# Altium PCB RoBeast_Control_Board_PCB.PcbDoc (part 1 of 3) (continued)
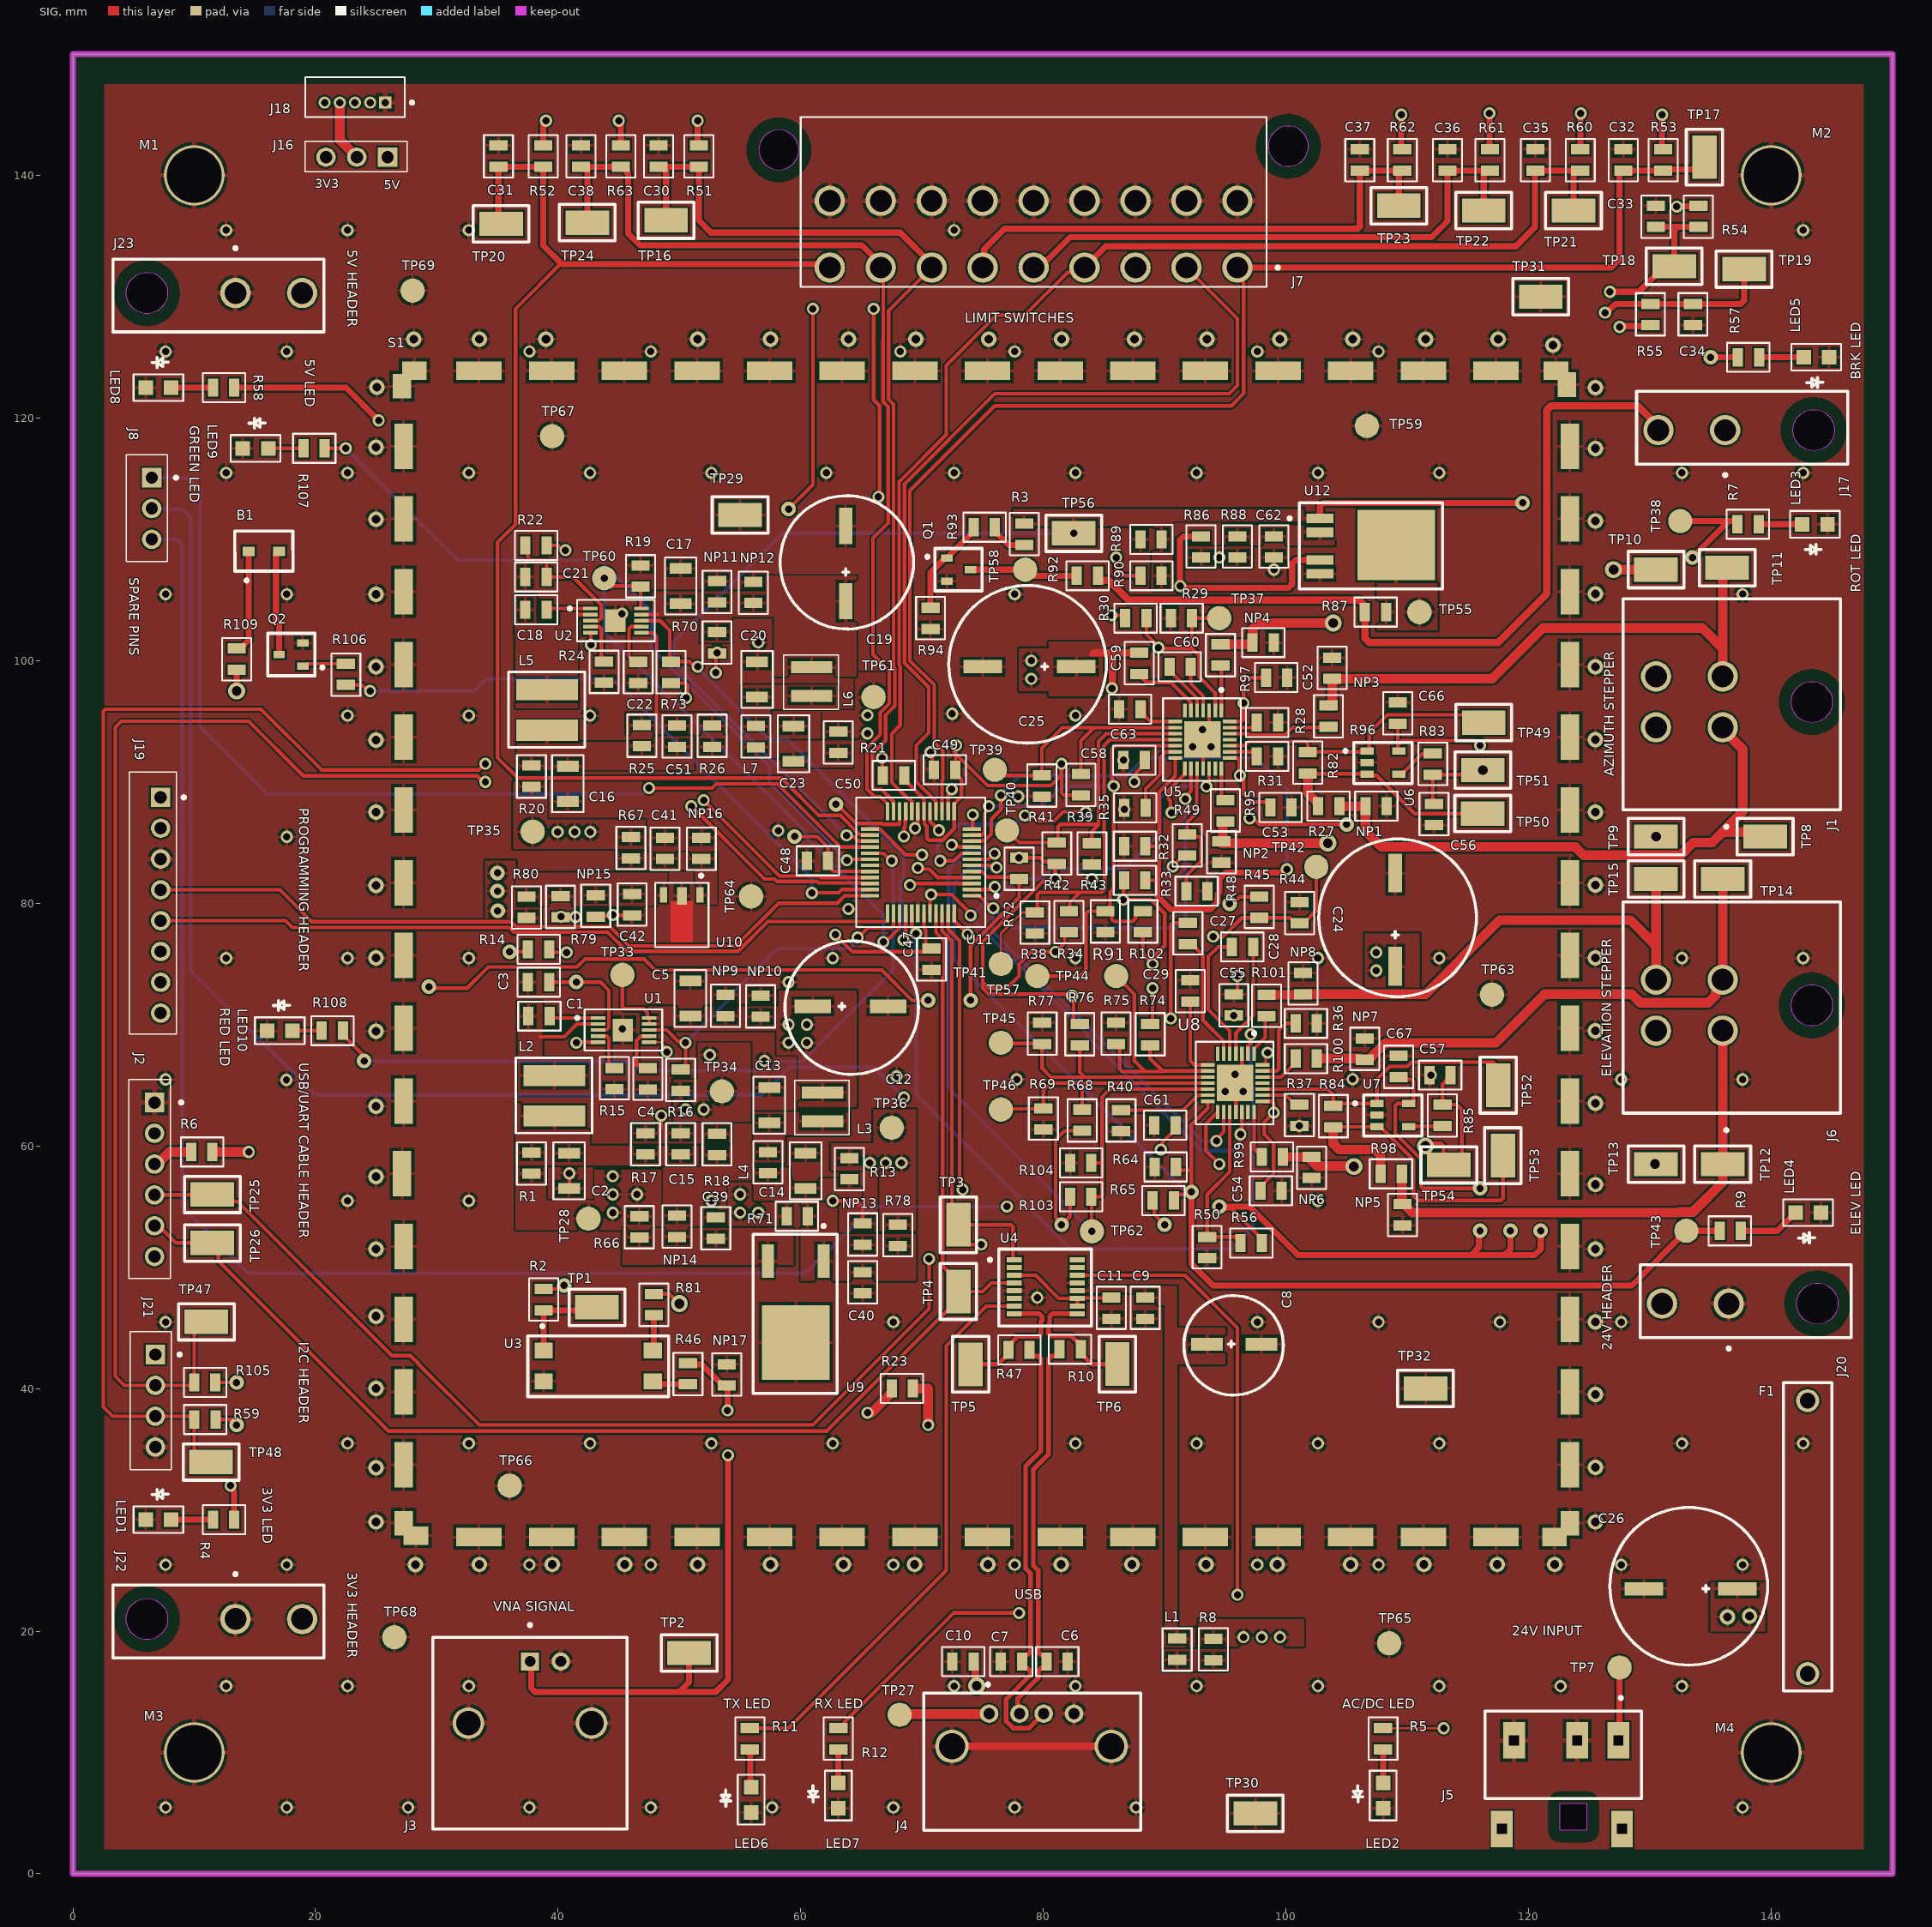
[diagram p0: SIG view]
## Part data (continued)
C40 C42: library part C0805C334K5RAC7800, "Ceramic Capacitor, Multilayer, Ceramic, 50V, 10% +Tol, 10% -Tol, X7R, 15% TC, 0.33uF, Surface Mount, 0805", Capacitance=330nF, Capacitor Type=Ceramic, Manufacturer=KEMET, Manufacturer Part Number=C0805C334K5RACTU, Max Operating Temperature=125°C, Min Operating Temperature=-55°C, Negative Tolerance=10%, Package Shape=Rectangular, Rated DC Voltage (URdc)=50V, Supplier Part Number 1=399-C0805C334K5RAC7800CT-ND, Temperature Characteristics Code=X7R, Category="Ceramic Capacitors", ComponentLink1Description=http://capacitoredge.kemet.com:80/capedge2/DataSheet/Datasheet-C0805C334K5RAC7800.pdf?pn=C0805C334K5RAC7800&src-supplier=IHS+Markit, ComponentLink1URL=http://capacitoredge.kemet.com:80/capedge2/DataSheet/Datasheet-C0805C334K5RAC7800.pdf?pn=C0805C334K5RAC7800&src-supplier=IHS+Markit, ComponentLink2Description=https://datasheet.ciiva.com/28608/1851736-28608437.pdf?src-supplier=Element14, ComponentLink2URL=https://datasheet.ciiva.com/28608/1851736-28608437.pdf?src-supplier=Element14, ComponentLink3Description=https://datasheet.ciiva.com/28696/1851736-28696038.pdf?src-supplier=Element14, ComponentLink3URL=https://datasheet.ciiva.com/28696/1851736-28696038.pdf?src-supplier=Element14, ComponentLink4Description=https://datasheet.ciiva.com/18193/getdatasheetpartid-385729-18193783.pdf?src-supplier=Verical, ComponentLink4URL=https://datasheet.ciiva.com/18193/getdatasheetpartid-385729-18193783.pdf?src-supplier=Verical, ComponentLink5Description=https://datasheet.ciiva.com/18193/getdatasheetpartid-93202-18193786.pdf?src-supplier=Verical, ComponentLink5URL=https://datasheet.ciiva.com/18193/getdatasheetpartid-93202-18193786.pdf?src-supplier=Verical, Dielectric Material=Ceramic, JESD-609 Code=e3, Manufacturer Series=C0805C334K5RACTU, Mount="Surface Mount", Multilayer=Yes, Number of Pins=2, Packaging="Tape and Reel", Positive Tolerance=10%, Pricing 1="1=0.16, 10=0.111, 50=0.0662, 100=0.0521, 500=0.0385, 1000=0.03188 (USD)", Reach SVHC Compliant=Yes, RoHS=Yes, RoHS Compliant=Yes, Size Code=0805, Stock 1=50949, Supplier 1=Digikey, Terminal Finish=Nickel, Termination=Wraparound
C56 C57: library part CL21B473KBCNNNC, "Ceramic Capacitor, Multilayer, Ceramic, 50V, 10% +Tol, 10% -Tol, X7R, 15% TC, 0.047uF, Surface Mount, 0805", Capacitor Type=Ceramic, Manufacturer=Samsung, Max Operating Temperature=125°C, Min Operating Temperature=-55°C, Negative Tolerance=10%, Package Shape=Rectangular, Package Style=SMTMeter, Rated DC Voltage (URdc)=50V, Supplier Part Number 1=1276-1250-1-ND, Temperature Characteristics Code=X7R, Capacitance=47nF, Category="Ceramic Capacitors", ComponentLink1Description=https://datasheet.ciiva.com:443/pdfs/VipMasterIC/IC/SEMS/SEMS-S-A0008523078/SEMS-S-A0008523078-1.pdf?src-supplier=IHS+Markit, ComponentLink1URL=https://datasheet.ciiva.com:443/pdfs/VipMasterIC/IC/SEMS/SEMS-S-A0008523078/SEMS-S-A0008523078-1.pdf?src-supplier=IHS+Markit, ComponentLink2Description=https://datasheet.ciiva.com/15195/getdatasheetpartid-357428-15195917.pdf?src-supplier=Verical, ComponentLink2URL=https://datasheet.ciiva.com/15195/getdatasheetpartid-357428-15195917.pdf?src-supplier=Verical, ComponentLink3Description=https://datasheet.ciiva.com/29199/454396-da-01-en-vs-kondensator-0805-29199678.pdf?src-supplier=Conrad, ComponentLink3URL=https://datasheet.ciiva.com/29199/454396-da-01-en-vs-kondensator-0805-29199678.pdf?src-supplier=Conrad, ComponentLink4Description=https://datasheet.ciiva.com/16289/cl05b104kq5nnnc-16289529.pdf?src-supplier=Future+Electronics, ComponentLink4URL=https://datasheet.ciiva.com/16289/cl05b104kq5nnnc-16289529.pdf?src-supplier=Future+Electronics, Dielectric Material=Ceramic, Height=0.85mm, JESD-609 Code=e3, Length=2mm, Manufacturer Part Number=CL21B473KBCNNNC, Mount="Surface Mount", Multilayer=Yes, Number of Pins=2, Packaging="Tape and Reel", Positive Tolerance=10%, Pricing 1="1=0.1, 10=0.036, 50=0.0208, 100=0.0161, 500=0.01212, 1000=0.00953 (USD)", Reach SVHC Compliant=Yes, RoHS=Yes, RoHS Compliant=Yes, Size Code=0805, Stock 1=502166, Supplier 1=Digikey, Terminal Finish=Nickel, Termination=Wraparound, Width=1.25mm
F1: library part 0031.8201, "Fuse Holder Open Design; 5 x 20mm; 500V; 10A; 1P; Solder THT 22.5mm", Manufacturer=Schurter, Manufacturer Part Number=00318201, Supplier Part Number 1=486-1258-ND, Category="Fuse Holders", ComponentLink1Description=https://datasheet.ciiva.com/3014/typ-ogn-3014480.pdf?src-supplier=Avnet, ComponentLink1URL=https://datasheet.ciiva.com/3014/typ-ogn-3014480.pdf?src-supplier=Avnet, ComponentLink2Description=https://datasheet.ciiva.com/3014/typ-ogn-3014480.pdf?src-supplier=Mouser, ComponentLink2URL=https://datasheet.ciiva.com/3014/typ-ogn-3014480.pdf?src-supplier=Mouser, ComponentLink3Description=https://datasheet.ciiva.com/16215/typ-ogn-16215099.pdf?src-supplier=Onlinecomponents.com, ComponentLink3URL=https://datasheet.ciiva.com/16215/typ-ogn-16215099.pdf?src-supplier=Onlinecomponents.com, ComponentLink4Description=https://datasheet.ciiva.com/16203/typ-ogn-16203626.pdf?src-supplier=Future+Electronics, ComponentLink4URL=https://datasheet.ciiva.com/16203/typ-ogn-16203626.pdf?src-supplier=Future+Electronics, ComponentLink5Description=https://datasheet.ciiva.com/15188/getdatasheetpartid-392104-15188042.pdf?src-supplier=Verical, ComponentLink5URL=https://datasheet.ciiva.com/15188/getdatasheetpartid-392104-15188042.pdf?src-supplier=Verical, ComponentLink6Description=https://datasheet.ciiva.com/1269/1842496-1269251.pdf?src-supplier=Element14, ComponentLink6URL=https://datasheet.ciiva.com/1269/1842496-1269251.pdf?src-supplier=Element14, ComponentLink7Description=https://datasheet.ciiva.com/25893/typ-ogn-25893934.pdf?, ComponentLink7URL=https://datasheet.ciiva.com/25893/typ-ogn-25893934.pdf?, Pricing 1="1=0.91, 50=0.676, 100=0.608, 500=0.47 (USD)", RoHS=Yes, Stock 1=148074, Supplier 1=Digikey
J1 J6: library part 0015246043, "Rectangular Power Connector, 4 Contact(s), Male, Solder Terminal, Receptacle", Contact Resistance=10mR, Dielectric Withstanding Voltage (AC)=2.2kV, Flammability Rating="UL94 V-0", Insulation Color=Natural, Insulation Resistance=1GR, Manufacturer=Molex, Manufacturer Part Number=15-24-6043, Manufacturer Series=42404, Max Operating Temperature=105°C, Min Operating Temperature=-40°C, Rated Current (Signal)=8A, Supplier Part Number=WM19428-ND, Board Mounting Option="SPLIT BOARD LOCK", Body Breadth=0.591inch, Body Depth=0.815inch, Body/Shell Style=RECEPTACLE, Category="Headers and Wire Housings", ComponentLink1Description=https://datasheet.ciiva.com:443/pdfs/VipMasterIC/IC/MOLE/MOLES39673/MOLES39673-1.pdf?src-supplier=IHS+Markit, ComponentLink1URL=https://datasheet.ciiva.com:443/pdfs/VipMasterIC/IC/MOLE/MOLES39673/MOLES39673-1.pdf?src-supplier=IHS+Markit, ComponentLink2Description=https://datasheet.ciiva.com/16095/789440015246043-pcb-headers-16095349.pdf?src-supplier=Onlinecomponents.com, ComponentLink2URL=https://datasheet.ciiva.com/16095/789440015246043-pcb-headers-16095349.pdf?src-supplier=Onlinecomponents.com, ComponentLink3Description=https://datasheet.ciiva.com/30160/0015246043-pcb-headers-30160175.pdf?src-supplier=Onlinecomponents.com, ComponentLink3URL=https://datasheet.ciiva.com/30160/0015246043-pcb-headers-30160175.pdf?src-supplier=Onlinecomponents.com, Connector Type=Power,Rectangular, Contact Finish - Mating="NOT SPECIFIED", Contact Gender=Male, Contact Pattern=RECTANGULAR, Contact Style="SQ PIN-SKT", DIN Conformance=No, Durability=30Cycles, Empty Shell=No, Filter Feature=No, IEC Conformance=No, Insertion Force-Max=14.6784N, Insulation Material=Nylon, Mating Contact Pitch=0.165inch, Mating Contact Row Spacing=0.165inch, Mating Information="MULTIPLE MATING PARTS AVAILABLE", MIL Conformance=No, Mixed Contacts=No, Mounting Option 1="GUIDE SLOT", Mounting Option 2=LOCKING, Mounting Style="RIGHT ANGLE", Mounting Technology=Board, Number Of Connectors=1, Number of Contacts=4, Number Of PCB Rows=2, Number of Rows Loaded=2, Option="General Purpose", PCB Contact Pattern=RECTANGULAR, PCB Contact Row Spacing=5.5118mm, Plating Thickness=30uin, Polarization Key="POLARIZED HOUSING", Pricing="1=2.55, 10=2.244, 880=1.78517, 1760=1.42814, 5280=1.32613 (USD)", Reach SVHC Compliant=Yes, Reference Standard=UL, Reliability=COMMERCIAL, RoHS=Yes, RoHS Compliant=Yes, Shell Material=POLYAMIDE66, Stock=3180, Supplier=Digikey, Terminal Length=0.13inch, Terminal Pitch=4.191mm, Termination=Solder, Withdrawl Force-Min=1.0008N
J2: library part PH1RB-06-UA, "Conn Unshrouded Header HDR 6 POS 2.54mm Solder RA Thru-Hole", Manufacturer="Adam Equipment", Supplier Part Number 1=2057-PH1RB-06-UA-ND, Category=Connectors, Manufacturer Part Number=PH1RB-06-UA, Pricing 1="1=0.18, 10=0.141, 100=0.104, 500=0.08606, 1000=0.0753, 5000=0.06454, 10000=0.06275 (USD)", RoHS=No, Stock 1=9095, Supplier 1=Digikey
J3: library part 0731375003, "RF BNC Connector, 1 Contact(s), Female, Panel Mount, Board Mount, Solder Terminal, Locking, Receptacle", Contact Resistance=1.5mR, Dielectric Withstanding Voltage (AC)=2.1kV, Insulation Color=Black, Insulation Resistance=5GR, Manufacturer=Molex, Manufacturer Part Number=73137-5003, Manufacturer Series=73137, Operating Frequency-Max=4kHz, Supplier Part Number 1=538-73137-5003, Body Breadth=0.52inch, Body Depth=1.385inch, Body Length=0.581inch, Body/Shell Style=RECEPTACLE, Category="RF / Coaxial Connectors", Characteristic Impedance=50R, ComponentLink1Description=https://datasheet.ciiva.com:443/pdfs/VipMasterIC/IC/MOLE/MOLES59426/MOLES59426-1.pdf?src-supplier=IHS+Markit, ComponentLink1URL=https://datasheet.ciiva.com:443/pdfs/VipMasterIC/IC/MOLE/MOLES59426/MOLES59426-1.pdf?src-supplier=IHS+Markit, ComponentLink2Description=https://datasheet.ciiva.com/19460/1976769-19460336.pdf?src-supplier=Jameco, ComponentLink2URL=https://datasheet.ciiva.com/19460/1976769-19460336.pdf?src-supplier=Jameco, ComponentLink3Description=https://datasheet.ciiva.com/5176/0731375003-rf-coax-connectors-173113-5176792.pdf?src-supplier=Mouser, ComponentLink3URL=https://datasheet.ciiva.com/5176/0731375003-rf-coax-connectors-173113-5176792.pdf?src-supplier=Mouser, ComponentLink4Description=https://datasheet.ciiva.com/15172/getdatasheetpartid-42660-15172351.pdf?src-supplier=Verical, ComponentLink4URL=https://datasheet.ciiva.com/15172/getdatasheetpartid-42660-15172351.pdf?src-supplier=Verical, ComponentLink5Description=https://datasheet.ciiva.com/16080/1194240731375003-rf-coax-nectors-16080996.pdf?src-supplier=Onlinecomponents.com, ComponentLink5URL=https://datasheet.ciiva.com/16080/1194240731375003-rf-coax-nectors-16080996.pdf?src-supplier=Onlinecomponents.com, ComponentLink6Description=https://datasheet.ciiva.com/22826/0900766b810de4ef-22826921.pdf?src-supplier=Rs, ComponentLink6URL=https://datasheet.ciiva.com/22826/0900766b810de4ef-22826921.pdf?src-supplier=Rs, Connector Type=BNC, Contact Finish - Mating="NOT SPECIFIED", Contact Gender=Female, Contact Style=Coax, Coupling Type=Bayonet, DIN Conformance=No, Durability=500Cycles, Filter Feature=No, IEC Conformance=No, Insertion Loss=0.2dB, Insulation Material=Polypropylene, Mating Information="MULTIPLE MATING PARTS AVAILABLE", MIL Conformance=No, Mount=Board, Mounting Option 1=LOCKING, Mounting Style="RIGHT ANGLE", Number of Contacts=1, Number of Ports=1, Option="General Purpose", Panel Mount=Yes, Pricing 1="1=4.82, 10=4.24, 50=4.24, 100=3.37, 1000=2.79, 10000=2.6 (USD)", Reach SVHC Compliant=No, Reference Standard=UL, RoHS=Yes, RoHS Compliant=Yes, Shell Finish=Nickel, Shell Material=Zinc, Stock 1=2215, Supplier 1=Mouser, Terminal Length=0.163inch, Termination=Solder, VSWR=1.3
J4: library part UE27AC54100, "Conn USB 2.0 Type A RCP 4 POS 2mm/2.5mm Solder RA Thru-Hole 4 Terminal 1 Port", Manufacturer="Amphenol ICC / FCI", Supplier Part Number 1=UE27AC54100-ND, Category="USB Connectors", Manufacturer Part Number=UE27AC54100, Pricing 1="1=0.75, 10=0.633, 25=0.6072, 40=0.5945, 120=0.56858, 240=0.51692, 480=0.46523, 960=0.41353, 2400=0.37477 (USD)", RoHS=No, Stock 1=20038, Supplier 1=Digikey
J5: library part 54-00128, "Conn DC Power RCP 2 POS Solder RA Thru-Hole 3 Terminal 1 Port", Manufacturer=Tensility, Supplier Part Number 1=839-1511-ND, Category=Connectors, ComponentLink1Description=http://www.tensility.com/pdffiles/54-00128.pdf?src-supplier=Digikey, ComponentLink1URL=http://www.tensility.com/pdffiles/54-00128.pdf?src-supplier=Digikey, Manufacturer Part Number=54-00128, Pricing 1="1=0.91, 10=0.767, 100=0.6888, 1000=0.50096, 5000=0.43834, 10000=0.41642 (USD)", RoHS=No, Stock 1=19136, Supplier 1=Digikey
J7: library part 0039291188, "Rectangular Power Connector, 18 Contact(s), Male, Solder Terminal, Receptacle", Contact Resistance=10mR, Dielectric Withstanding Voltage (AC)=1.5kV, Flammability Rating="UL94 V-2", Insulation Resistance=1GR, Manufacturer=Molex, Manufacturer Part Number=39-29-1188, Max Operating Temperature=105°C, Min Operating Temperature=-40°C, Rated Current (Signal)=6A, Supplier Part Number 1=23-0039291188-ND, Board Mounting Option="MOUNTING FLANGE", Body Breadth=0.394inch, Body Depth=0.72inch, Body Length=1.929inch, Body/Shell Style=RECEPTACLE, Category="Headers and Wire Housings", ComponentLink1Description=https://datasheet.ciiva.com:443/pdfs/VipMasterIC/IC/MOLE/MOLE-S-A0004635529/MOLE-S-A0004635529-1.pdf?src-supplier=IHS+Markit, ComponentLink1URL=https://datasheet.ciiva.com:443/pdfs/VipMasterIC/IC/MOLE/MOLE-S-A0004635529/MOLE-S-A0004635529-1.pdf?src-supplier=IHS+Markit, ComponentLink2Description=https://datasheet.ciiva.com/711/039291028-sd-711978.pdf?src-supplier=Digikey, ComponentLink2URL=https://datasheet.ciiva.com/711/039291028-sd-711978.pdf?src-supplier=Digikey, ComponentLink3Description=https://datasheet.ciiva.com/30097/128000039291188-pcb-headers-30097010.pdf?src-supplier=Onlinecomponents.com, ComponentLink3URL=https://datasheet.ciiva.com/30097/128000039291188-pcb-headers-30097010.pdf?src-supplier=Onlinecomponents.com, ComponentLink4Description=https://datasheet.ciiva.com/26916/getdatasheetpartid-310375-26916660.pdf?src-supplier=Verical, ComponentLink4URL=https://datasheet.ciiva.com/26916/getdatasheetpartid-310375-26916660.pdf?src-supplier=Verical, ComponentLink5Description=https://datasheet.ciiva.com/11748/0900766b8059542f-11748868.pdf?src-supplier=Rs, ComponentLink5URL=https://datasheet.ciiva.com/11748/0900766b8059542f-11748868.pdf?src-supplier=Rs, ComponentLink6Description=https://datasheet.ciiva.com/5158/0039291188-pcb-headers-228408-5158739.pdf?src-supplier=Mouser, ComponentLink6URL=https://datasheet.ciiva.com/5158/0039291188-pcb-headers-228408-5158739.pdf?src-supplier=Mouser, ComponentLink7Description=https://datasheet.ciiva.com/1442/1865038-1442913.pdf?src-supplier=Element14, ComponentLink7URL=https://datasheet.ciiva.com/1442/1865038-1442913.pdf?src-supplier=Element14, Connector Type=Power,Rectangular, Contact Finish - Mating="NOT SPECIFIED", Contact Finish - Termination="Tin (Sn) - with Nickel (Ni) barrier", Contact Gender=Male, Contact Pattern=RECTANGULAR, Contact Style="SQ PIN-SKT", DIN Conformance=No, Durability=30Cycles, Empty Shell=No, Filter Feature=No, IEC Conformance=No, Insertion Force-Max=6.672N, Insulation Material=Nylon, JESD-609 Code=e3, Mating Contact Pitch=0.165inch, Mating Contact Row Spacing=0.165inch, Mating Information="MULTIPLE MATING PARTS AVAILABLE", MIL Conformance=No, Mixed Contacts=No, Mount=Board, Mounting Option 1="POLARIZED LCK", Mounting Option 2=LOCKING, Mounting Style="RIGHT ANGLE", Number Of Connectors=1, Number of Contacts=18, Number Of PCB Rows=2, Number of Rows Loaded=2, Option="General Purpose", PCB Contact Pattern=RECTANGULAR, PCB Contact Row Spacing=5.5118mm, Plating Thickness=200uin, Polarization Key="POLARIZED HOUSING", Pricing 1="1=4.09, 10=3.6, 100=2.8634, 1000=2.37249 (USD)", Reach SVHC Compliant=Yes, Reference Standard=UL, Reliability=COMMERCIAL, RoHS=Yes, RoHS Compliant=Yes, Shell Material=Nylon, Stock 1=8423, Supplier 1=Digikey, Terminal Length=0.138inch, Terminal Pitch=4.191mm, Termination=Solder, Withdrawl Force-Min=3.1136N
J8: library part PH1RB-03-UA, "Conn Unshrouded Header HDR 3 POS 2.54mm Solder RA Side Entry Thru-Hole", Manufacturer="Adam Equipment", Supplier Part Number=2057-PH1RB-03-UA-ND, Category=Connectors, ComponentLink1Description=http://www.adam-tech.com/downloader.php?p=PH1RB-XX-UA.pdf&src-supplier=Digikey, ComponentLink1URL=http://www.adam-tech.com/downloader.php?p=PH1RB-XX-UA.pdf&src-supplier=Digikey, Manufacturer Part Number=PH1RB-03-UA, Pricing="1=0.12, 10=0.097, 100=0.0718, 500=0.05938, 1000=0.05196, 5000=0.04454, 10000=0.0433 (USD)", RoHS=No, Stock=27919, Supplier=Digikey
J16: library part PH1-03-UA, "Conn Unshrouded Header HDR 3 POS 2.54mm Solder ST Thru-Hole Bag", Manufacturer="Adam Equipment", Supplier Part Number 1=2057-PH1-03-UA-ND, Category=Connectors, ComponentLink1Description=https://datasheet.ciiva.com/16396/catpg240-254-16396026.pdf?src-supplier=Future+Electronics, ComponentLink1URL=https://datasheet.ciiva.com/16396/catpg240-254-16396026.pdf?src-supplier=Future+Electronics, Manufacturer Part Number=PH1-03-UA, Pricing 1="1=0.1, 10=0.045, 100=0.0285, 500=0.02374, 1000=0.02136, 5000=0.01804, 10000=0.01709 (USD)", RoHS=Yes, Stock 1=50788, Supplier 1=Digikey
J17 J20 J22 J23: library part WM14505-ND, "Board Connector, 2 Contact(s), 2 Row(s), Male, Right Angle, Solder Terminal", Flammability Rating="UL94 V-2", Manufacturer=Molex, Manufacturer Part Number=0026013114, Supplier Part Number=538-26-01-3114, ComponentLink1Description=https://datasheet.ciiva.com:443/pdfs/VipMasterIC/IC/MOLE/MOLE-S-A0006764423/MOLE-S-A0006865681-1.pdf?src-supplier=IHS+Markit, ComponentLink1URL=https://datasheet.ciiva.com:443/pdfs/VipMasterIC/IC/MOLE/MOLE-S-A0006764423/MOLE-S-A0006865681-1.pdf?src-supplier=IHS+Markit, Connector Type="BOARD CONNECTOR", Contact Finish - Mating=GOLD, Contact Finish - Termination="Matte Tin (Sn)", Contact Gender=Male, Contact Material=Brass, DIN Conformance=No, Filter Feature=No, IEC Conformance=No, JESD-609 Code=e3, Mating Information="MULTIPLE MATING PARTS AVAILABLE", MIL Conformance=No, Mixed Contacts=No, Mounting Style="RIGHT ANGLE", Mounting Technology=Board, Number of Contacts=2, Number of Rows Loaded=2, Option="General Purpose", Pricing="1=1.12, 10=0.793, 50=0.793, 100=0.704, 1000=0.635, 10000=0.528 (USD)", Reach SVHC Compliant=Yes, RoHS=Yes, RoHS Compliant=Yes, Stock=22788, Supplier=Mouser, Supplier 1=Digikey, Supplier Part Number 1=WM14505-ND, Termination=Solder
J18: library part 0530480510, "Board Connector, 5 Contact(s), 1 Row(s), Male, Right Angle, 0.049 inch Pitch, Solder Terminal, Locking, Natural Insulator, Receptacle", Contact Resistance=20mR, Flammability Rating="UL94 V-0", Insulation Color=Natural, Insulation Resistance=100MR, Manufacturer=Molex, Manufacturer Part Number=53048-0510, Manufacturer Series=53048, Max Operating Temperature=85°C, Min Operating Temperature=-40°C, Supplier Part Number=WM1745-ND, Body Breadth=0.138inch, Body Depth=0.217inch, Body Length=0.315inch, Body/Shell Style=RECEPTACLE, Category="Headers and Wire Housings", ComponentLink1Description=https://datasheet.ciiva.com:443/pdfs/VipMasterIC/IC/MOLE/MOLE-S-A0001318164/MOLE-S-A0001396416-1.pdf?src-supplier=IHS+Markit, ComponentLink1URL=https://datasheet.ciiva.com:443/pdfs/VipMasterIC/IC/MOLE/MOLE-S-A0001318164/MOLE-S-A0001396416-1.pdf?src-supplier=IHS+Markit, Connector Type="BOARD CONNECTOR", Contact Finish - Mating=TIN, Contact Finish - Termination="Tin (Sn)", Contact Gender=Male, Contact Material=Bronze, Contact Pattern=RECTANGULAR, Contact Style="SQ PIN-SKT", DIN Conformance=No, Filter Feature=No, IEC Conformance=No, Insulation Material=Nylon, JESD-609 Code=e3, Mating Contact Pitch=0.049inch, Mating Information="MULTIPLE MATING PARTS AVAILABLE", MIL Conformance=No, Mixed Contacts=No, Mounting Option 1=LOCKING, Mounting Style="RIGHT ANGLE", Mounting Technology=Board, Number Of Connectors=1, Number of Contacts=5, Number Of PCB Rows=1, Number of Rows Loaded=1, Option="General Purpose", PCB Contact Pattern=RECTANGULAR, Pricing="1=0.49, 10=0.414, 80=0.32175, 4000=0.22983, 8000=0.20684, 12000=0.20378 (USD)", Reach SVHC Compliant=Yes, Reliability=COMMERCIAL, RoHS=Yes, RoHS Compliant=Yes, Stock=61267, Supplier=Digikey, Terminal Length=0.091inch, Terminal Pitch=1.25mm, Termination=Solder
J19: library part PH1RB-08-UA, "Conn Unshrouded Header HDR 8 POS 2.54mm Solder RA Thru-Hole", Manufacturer="Adam Equipment", Supplier Part Number 1=2057-PH1RB-08-UA-ND, Category=Connectors, Manufacturer Part Number=PH1RB-08-UA, Pricing 1="1=0.23, 10=0.196, 100=0.1505, 500=0.12738, 1000=0.10423, 5000=0.09265, 10000=0.08396 (USD)", RoHS=No, Stock 1=10117, Supplier 1=Digikey
J21: library part PH1RB-04-UA, "Conn Unshrouded Header HDR 4 POS 2.54mm Solder RA Thru-Hole", Manufacturer="Adam Equipment", Supplier Part Number=2057-PH1RB-04-UA-ND, Category=Connectors, ComponentLink1Description=http://www.adam-tech.com/downloader.php?p=PH1RB-XX-UA.pdf&src-supplier=Digikey, ComponentLink1URL=http://www.adam-tech.com/downloader.php?p=PH1RB-XX-UA.pdf&src-supplier=Digikey, Manufacturer Part Number=PH1RB-04-UA, Pricing="1=0.12, 10=0.094, 100=0.0697, 500=0.0577, 1000=0.05048, 5000=0.04327, 10000=0.04207 (USD)", RoHS=No, Stock=13315, Supplier=Digikey
L1: library part MI0805K601R-10, "Ferrite Chip, 1 Function(s), 1.5A, 2 Pin(s)", Case Code=0805, Current Rating=1.5A, DC Resistance-Max=100mR, Manufacturer=Laird, Manufacturer Series=MI0805K601R, Max Frequency=100MHz, Max Operating Temperature=125°C, Min Operating Temperature=-55°C, Supplier Part Number 1=240-2390-1-ND, Category="Ferrite Beads and Chips", ComponentLink1Description=https://datasheet.ciiva.com:443/pdfs/VipMasterIC/IC/STWD/STWDS00462/STWDS00462-1.pdf?src-supplier=IHS+Markit, ComponentLink1URL=https://datasheet.ciiva.com:443/pdfs/VipMasterIC/IC/STWD/STWDS00462/STWDS00462-1.pdf?src-supplier=IHS+Markit, ComponentLink2Description=https://datasheet.ciiva.com/22650/1685918-22650417.pdf?src-supplier=Element14, ComponentLink2URL=https://datasheet.ciiva.com/22650/1685918-22650417.pdf?src-supplier=Element14, ComponentLink3Description=https://datasheet.ciiva.com/1013/mi0805k601r-10-b-1013299.pdf?src-supplier=Digikey, ComponentLink3URL=https://datasheet.ciiva.com/1013/mi0805k601r-10-b-1013299.pdf?src-supplier=Digikey, ComponentLink4Description=https://datasheet.ciiva.com/3082/mi0805k601r-10-a-vp-3082219.pdf?src-supplier=Avnet, ComponentLink4URL=https://datasheet.ciiva.com/3082/mi0805k601r-10-a-vp-3082219.pdf?src-supplier=Avnet, Construction="Chip Bead", Filter Type="FERRITE CHIP", Height=0.9mm, JESD-609 Code=e3, Length=2mm, Manufacturer Part Number=MI0805K601R-10, Material=Ferrite, Min Frequency=100MHz, Mount="Surface Mount", Number of Functions=1, Output Impedance=600R, Packaging="Tape and Reel", Pricing 1="1=0.19, 10=0.147, 25=0.122, 50=0.1052, 100=0.0948, 250=0.08004, 500=0.0716, 1000=0.06107 (USD)", Reach SVHC Compliant=Yes, RoHS=Yes, RoHS Compliant=Yes, Series=MI0805K601R-10, Stock 1=475960, Supplier 1=Digikey, Terminal Finish=Nickel, Width=1.25mm
L2 L5: library part MSS5121-273MLB, "General Purpose Inductor, 27uH, 20%, 1 Element, Ferrite-Core, SMD, 2020", Case/Size Code=2020, DC Resistance (DCR)=420mR, Inductor Application="POWER INDUCTOR", Inductor Type="GENERAL PURPOSE INDUCTOR", Manufacturer=Coilcraft, Max Operating Temperature=125°C, Min Operating Temperature=-40°C, Package Height=2.2mm, Package Length=6mm, Package Style=SMTMeter, Rated Current-Max=850mA, Self Resonant Frequency=27MHz, Supplier Part Number 1=994-MSS5121-273MLB, Test Frequency=100kHz, Tolerance=20%, Category="Fixed Inductors", ComponentLink1Description=https://datasheet.ciiva.com:443/pdfs/VipMasterIC/IC/COLC/COLC-S-A0003131943/COLC-S-A0003131943-1.pdf?src-supplier=IHS+Markit, ComponentLink1URL=https://datasheet.ciiva.com:443/pdfs/VipMasterIC/IC/COLC/COLC-S-A0003131943/COLC-S-A0003131943-1.pdf?src-supplier=IHS+Markit, ComponentLink2Description=https://datasheet.ciiva.com/22680/1681961-22680287.pdf?src-supplier=Element14, ComponentLink2URL=https://datasheet.ciiva.com/22680/1681961-22680287.pdf?src-supplier=Element14, Construction=Shielded, Core Material=Ferrite, Inductance-Nom (L)=27uH, JESD-609 Code=e3, Manufacturer Part Number=MSS5121-273MLB, Number of Functions=1, Number of Pins=2, Package Width=6mm, Packaging="Tape and Reel", Pricing 1="1=1.8, 10=1.8, 50=1.8, 100=1.8, 1000=0.878, 10000=0.817 (USD)", Reach SVHC Compliant=Yes, RoHS=Yes, RoHS Compliant=Yes, Shape/Size Description="RECTANGULAR PACKAGE", Shielding=Shielded, Stock 1=439, Supplier 1=Mouser, Surface Mount=Yes, Terminal Finish=Nickel, Terminal Placement="Dual Ended", Termination=Wraparound
L3 L6: library part XAL4030-472MEC, "General Purpose Inductor, 4.7uH, 20%, 1 Element, Composite-Core, SMD, 1616", Case/Size Code=1515, DC Resistance (DCR)=44.1mR, Inductor Application="POWER INDUCTOR", Inductor Type="GENERAL PURPOSE INDUCTOR", Manufacturer=Coilcraft, Max Operating Temperature=125°C, Min Operating Temperature=-40°C, Package Height=3.1mm, Package Length=4mm, Package Style=SMTMeter, Rated Current-Max=5.1A, Self Resonant Frequency=36MHz, Supplier Part Number 1=2457-XAL4030-472MEC-ND, Test Frequency=100kHz, Tolerance=20%, Category="Fixed Inductors", ComponentLink1Description=https://datasheet.ciiva.com:443/pdfs/VipMasterIC/IC/COLC/COLC-S-A0006757288/COLC-S-A0006757288-1.pdf?src-supplier=IHS+Markit, ComponentLink1URL=https://datasheet.ciiva.com:443/pdfs/VipMasterIC/IC/COLC/COLC-S-A0006757288/COLC-S-A0006757288-1.pdf?src-supplier=IHS+Markit, ComponentLink2Description=https://datasheet.ciiva.com/22701/1681987-22701559.pdf?src-supplier=Element14, ComponentLink2URL=https://datasheet.ciiva.com/22701/1681987-22701559.pdf?src-supplier=Element14, ComponentLink3Description=https://datasheet.ciiva.com/13277/xal4000-270751-13277257.pdf?src-supplier=Mouser, ComponentLink3URL=https://datasheet.ciiva.com/13277/xal4000-270751-13277257.pdf?src-supplier=Mouser, Construction=Chip, Core Material=Composite, Inductance-Nom (L)=4.7uH, JESD-609 Code=e2, Manufacturer Part Number=XAL4030-472MEC, Number of Functions=1, Number of Pins=2, Package Width=4mm, Packaging="Tape and Reel", Pricing 1="1=2.43, 10=2.43, 50=2.43, 100=2.43, 1000=1.11, 10000=1.11 (USD)", Reach SVHC Compliant=Yes, Reference Standard=AEC-Q200, RoHS=Yes, RoHS Compliant=Yes, Shape/Size Description="RECTANGULAR PACKAGE", Shielding=Shielded, Stock 1=103962, Supplier 1=DigiKey, Surface Mount=Yes, Terminal Finish=Tin, Terminal Placement="Dual Ended", Termination="One Surface"